# Altium PCB IC_LAB_test.PcbDoc (part 2 of 8)
Units mil, origin at the board's own origin, x right, y up, seen from the top; angles counter-clockwise.
Board outline 9750.75 x 5353.06 mil, 2 copper layers (Top Layer, Bottom Layer); 164 components, 0 nets, 5989 pads, 3214 vias.
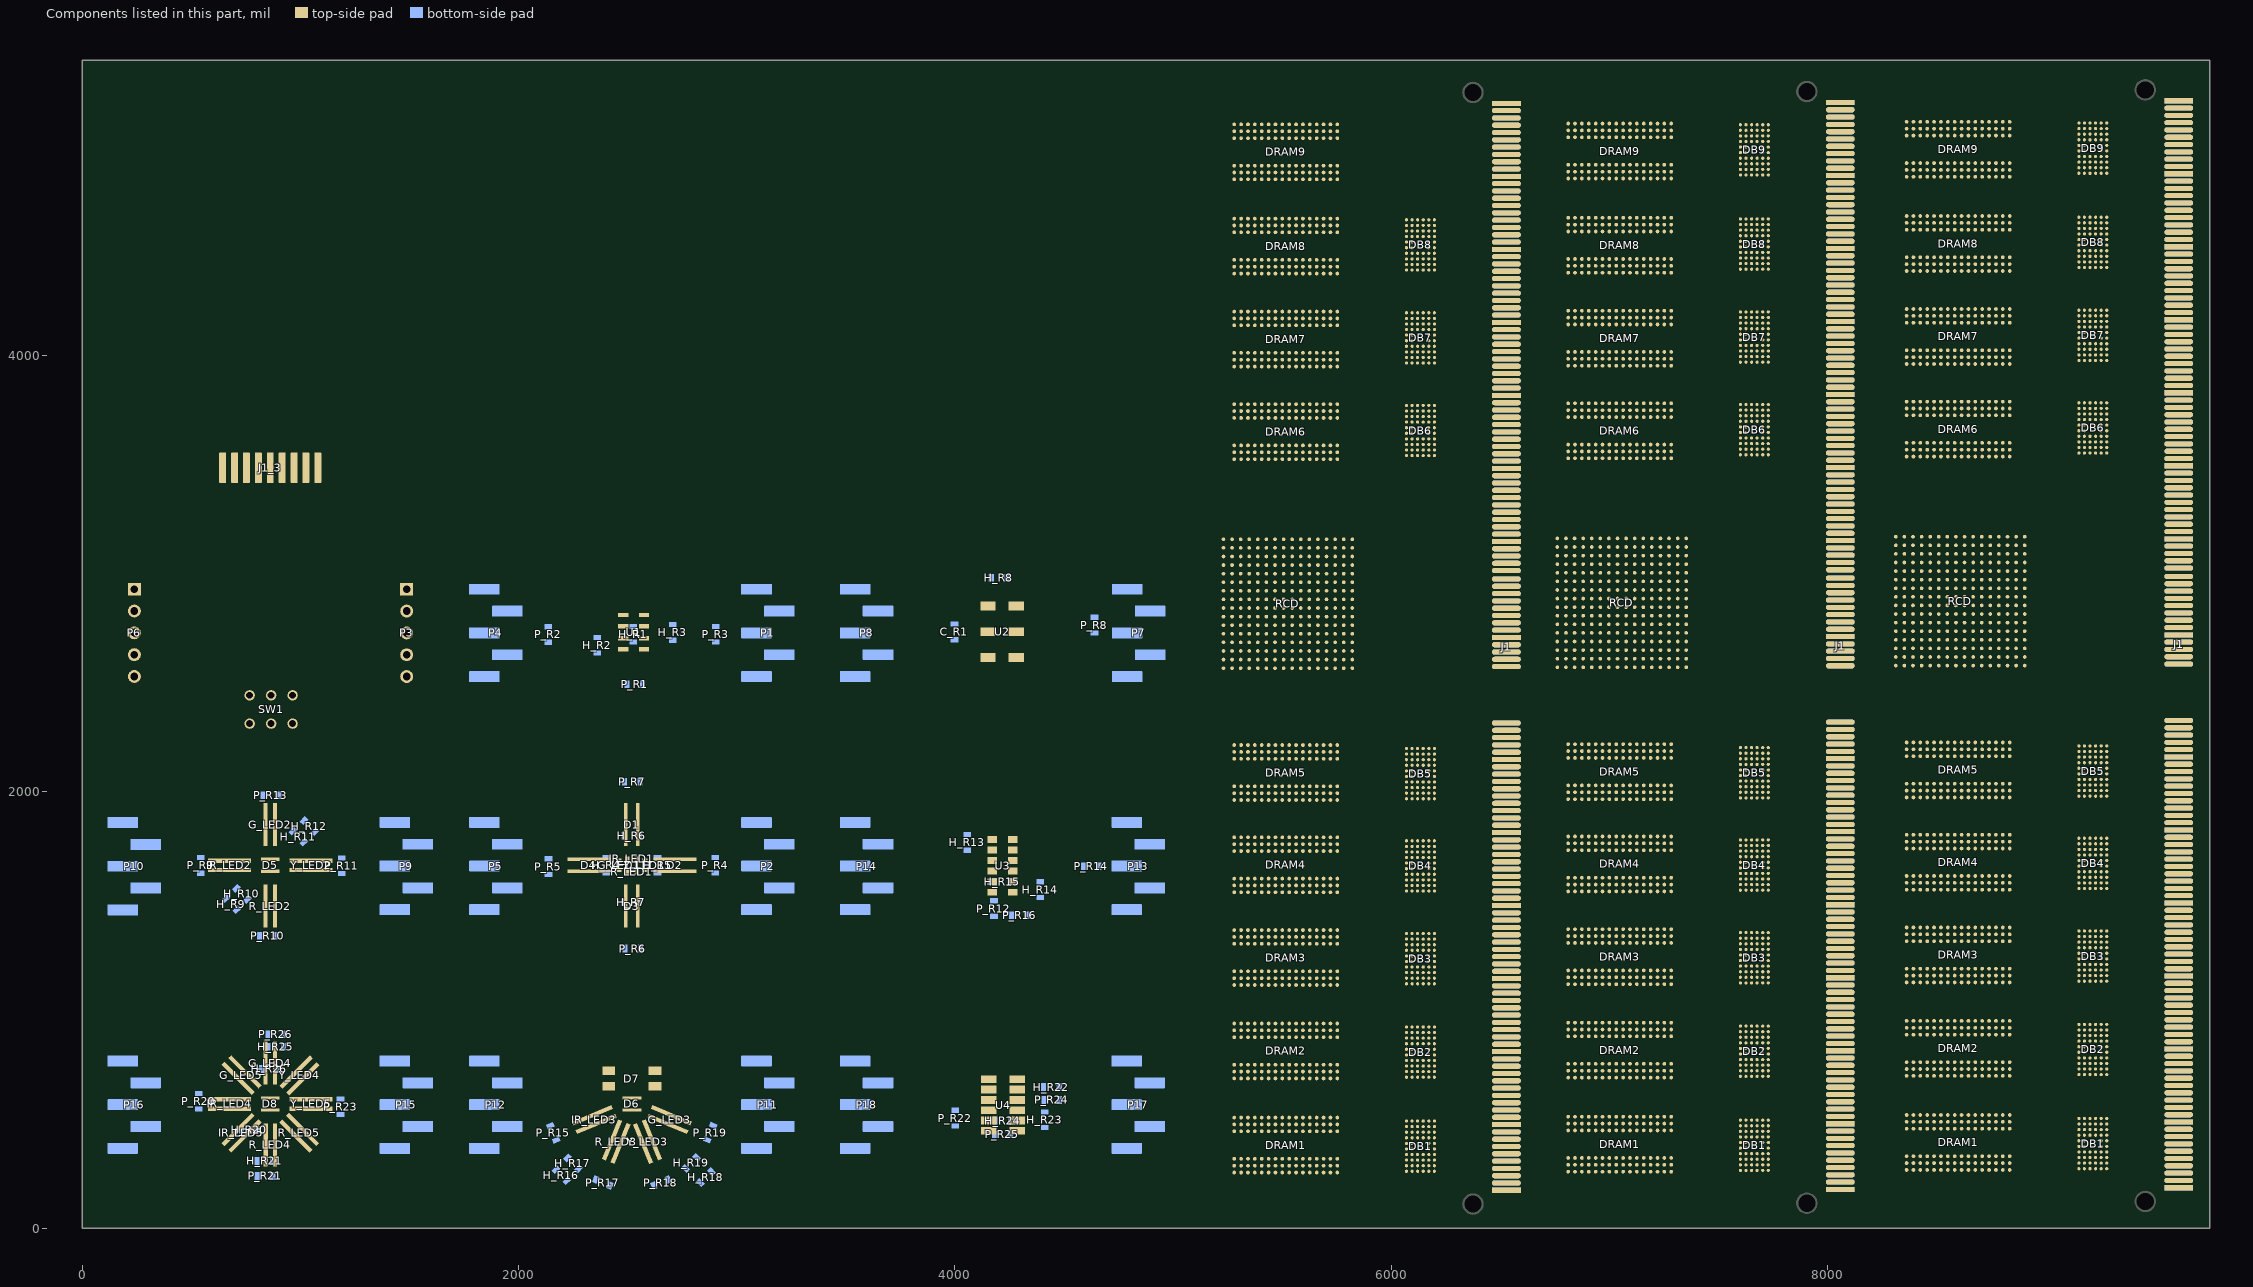
[diagram p2: the components of this part, seen from the top]

## Via types
v1: diameter 17.72, hole 8, Top Layer to Bottom Layer, 2685 vias
v2: diameter 39.37, hole 23.62, Top Layer to Bottom Layer, tented both sides, 414 vias
v3: diameter 23.62, hole 11.81, Top Layer to Bottom Layer, 52 vias
v4: diameter 23.62, hole 11.81, Top Layer to Bottom Layer, tented top, 33 vias
v5: diameter 31.5, hole 15.75, Top Layer to Bottom Layer, 21 vias
v6: diameter 137.8, hole 122.05, Top Layer to Bottom Layer, 3 vias
v7: diameter 78.74, hole 62.99, Top Layer to Bottom Layer, 3 vias
v8: diameter 39.37, hole 19.68, Top Layer to Bottom Layer, 3 vias

## Nets (pads, with @x,y where several pads share a name; then routed paths per layer and width w, separated by ;. In a path a pad name is that pad's centre, name@x,y a point inside that pad or via, vN(x,y) a via of type N, cw(c..) or ccw(c..) an arc to the next point about the centre after c; other vN are vias at no path point) (continued)
copper on no net: (continued)
  Top Layer w3.5: v1(5194.44,3144.24) 5194.44,3143.24 5219.44,3118.24 5230.11,3118.24 5230.63,3117.72 ; v1(5195.44,3187.24) 5197.88,3187.24 5228.03,3157.09 5230.63,3157.09 ; v1(5232.44,3193.24) 5233.85,3193.24 5270,3157.09 ; v1(5232.44,3713.24) 5232.55,3713.35 5280,3713.35 ; v1(5233.44,4138.24) 5233.92,4137.76 5280,4137.76 ; v1(5233.44,4564.24) 5233.74,4563.94 5280,4563.94 ; v1(5234.44,4997.24) 5278.47,4997.24 5280,4995.71 ; v1(5236.44,444.24) 5236.94,443.74 5280,443.74 ; v1(5236.44,874.24) 5236.78,874.58 5279.66,874.58 5280,874.92 ; v1(5236.44,1302.24) 5236.9,1302.69 5279.54,1302.69 5280,1303.15 ; v1(5236.44,1728.24) 5236.48,1728.19 5279.96,1728.19 5280,1728.15 ; v1(5250.44,3138.24) 5250.44,3137.76 5270,3118.2 5270,3117.72 ; v1(5252.44,3745.24) 5252.83,3744.84 5280,3744.84 ; v1(5252.44,4170.24) 5253.43,4169.25 5280,4169.25 ; v1(5252.44,4595.24) 5252.64,4595.43 5280,4595.43 ; v1@5252.47,5027.2 5280,5027.2 ; v1(5254.44,474.24) 5254.94,474.74 5279.5,474.74 5280,475.24 ; v1(5254.44,906.24) 5254.53,906.33 5279.91,906.33 5280,906.42 ; v1(5254.44,1334.24) 5254.65,1334.44 5279.8,1334.44 5280,1334.65 ; v1(5254.44,1759.24) 5254.65,1759.44 5279.8,1759.44 5280,1759.65 ; v1(5274.44,3195.24) 5274.44,3193.63 5309.37,3158.7 5309.37,3157.09 ; v1(5278.44,553.24) 5295.35,536.32 5295.35,492.32 5311.5,476.18 5311.5,475.24 ; v1@5278.44,984.24 5295.35,967.32 5295.35,920.32 5309.26,906.42 5311.5,906.42 ; v1@5279.44,1415.24 5295.44,1399.24 5295.44,1350.7 5311.5,1334.65 ; v1(5279.44,4247.24) 5279.44,4244.24 5296.28,4227.4 5296.28,4184.4 5311.43,4169.25 5311.5,4169.25 ; v1(5279.44,5106.24) 5279.44,5100.24 5296.28,5083.4 5296.28,5044.4 5311.5,5029.18 5311.5,5027.2 ; 5280,286.26 5219.44,346.82 5219.44,660.24 5276.65,717.44 5280,717.44 5219.44,778 5219.44,1085.11 5280,1145.67 5278.01,1145.67 5220.83,1202.84 5220.83,1511.5 5280,1570.67 5220.44,1630.23 5220.44,1934.06 5280,1993.62 ; 5280,2151.1 5279.93,2151.17 5236.51,2151.17 v1(5236.44,2151.24) 5236.44,2269.24 5511.44,2544.24 5562.66,2544.24 5584.96,2566.54 ; 5280,2182.6 5279.82,2182.42 5254.62,2182.42 v1(5254.44,2182.24) 5254.44,2271.24 5521.44,2538.24 5586.44,2538.24 5605.44,2557.24 5605.44,2583.24 5584.96,2603.72 5584.96,2605.91 ; 5280,4838.23 5214.44,4772.67 5214.44,4472.02 5280,4406.46 5217.83,4344.29 5217.83,4094.27 5218.44,4093.66 5218.44,4043.24 5280,3981.68 5280,3980.28 5218.44,3918.72 5218.44,3617.43 5280,3555.87 5279.07,3555.87 5255.44,3532.24 5255.44,3471.24 5528.44,3198.24 5528.44,3144.24 5537.44,3135.24 5566.44,3135.24 5583.96,3117.72 5584.96,3117.72 ; v1(5280.44,1842.24) 5280.44,1823.24 5295.44,1808.24 5295.44,1773.24 5309.03,1759.65 5311.5,1759.65 ; v1@5280.44,3823.24 5280.44,3821.24 5296.28,3805.4 5296.28,3760.4 5311.5,3745.18 5311.5,3744.84 ; v1@5281.44,4673.24 5295.21,4659.46 5295.21,4612.46 5311.5,4596.18 5311.5,4595.43 ; v1(5288.44,3138.24) 5288.65,3138.24 5309.17,3117.72 5309.37,3117.72 ; v1(5295.44,210.24) 5295.44,271.24 5310.46,286.26 5311.5,286.26 ; v1(5295.44,1494.24) 5295.44,1553.24 5311.5,1569.29 5311.5,1570.67 ; v1(5295.44,1699.24) 5295.44,1712.09 5311.5,1728.15 ; v1(5295.44,3686.24) 5296.44,3687.24 5296.44,3699.24 5310.55,3713.35 5311.5,3713.35 ; v1(5295.44,4325.24) 5295.44,4390.24 5311.5,4406.29 5311.5,4406.46 ; v1(5295.44,4756.24) 5295.44,4822.24 5311.43,4838.23 5311.5,4838.23 ; v1(5296.44,411.24) 5311.5,426.29 5311.5,443.74 ; v1(5296.44,638.24) 5296.44,679.48 5296.28,679.64 5296.28,692.25 5296.44,692.41 5296.44,704.24 5309.65,717.44 5311.5,717.44 ; v1(5296.44,845.24) 5296.44,859.87 5311.5,874.92 ; v1(5296.44,1063.24) 5296.44,1107.71 5296.28,1107.87 5296.28,1120.48 5296.44,1120.63 5296.44,1130.61 5311.5,1145.67 ; v1(5296.44,1269.24) 5296.44,1291.24 5308.35,1303.15 5311.5,1303.15 ; v1@5296.44,1916.24 5296.44,1955.66 5296.28,1955.82 5296.28,1968.43 5296.44,1968.59 5296.44,1978.24 5311.5,1993.29 5311.5,1993.62 5311.5,1994.18 ; v1(5296.44,2126.24) 5297.44,2127.24 5297.44,2139.24 5309.31,2151.1 5311.5,2151.1 ; v1@5296.44,3899.24 v1(5296.44,3902.24) 5296.44,3942.32 5296.28,3942.48 5296.28,3955.08 5296.44,3955.24 5296.44,3964.24 5311.5,3979.29 5311.5,3980.28 ; v1(5296.44,4111.24) 5296.44,4123.24 5310.96,4137.76 5311.5,4137.76 ; v1(5296.44,4534.24) 5296.44,4550.24 5310.14,4563.94 5311.5,4563.94 ; v1(5296.44,4971.24) 5300.44,4971.24 5310.44,4981.24 5310.44,4994.65 5311.5,4995.71 ; 5309.37,2566.54 5309.37,2515.17 5182.44,2388.24 5182.44,2118.81 5234.01,2067.24 5320.44,2067.24 5326.44,2061.24 5326.44,2010.17 5342.99,1993.62 5359.44,1977.17 5359.44,1968.6 5359.27,1968.43 5359.27,1955.82 5359.44,1955.66 v1@5359.44,1918.24 ; 5309.37,2605.91 5328.44,2586.83 5328.44,2520.24 5188.44,2380.24 5188.44,2121.3 5236.5,2073.24 5324.44,2073.24 5342.99,2054.69 v1@5342.99,2053.24 ; v1@5309.44,984.24 5309.44,982.24 5327.44,964.24 5327.44,919.24 5340.26,906.42 5342.99,906.42 ; v1(5309.44,1842.24) 5309.44,1837.24 5327.78,1818.9 5327.78,1774.9 5342.99,1759.69 ; v1(5309.44,4247.24) 5327.44,4229.24 5327.44,4186.24 5342.99,4170.69 5342.99,4169.25 ; v1@5310.44,3824.24 5310.44,3822.24 5327.44,3805.24 5327.44,3760.24 5342.83,3744.84 5342.99,3744.84 ; v1(5311.44,553.24) 5327.44,537.24 5327.44,492.24 5342.99,476.69 5342.99,475.24 ; v1(5311.44,1416.24) 5326.71,1400.97 5326.71,1347.97 5340.03,1334.65 5342.99,1334.65 ; v1(5311.44,1630.24) 5311.44,1602.22 5311.5,1602.17 ; v1(5311.44,3615.24) 5311.5,3615.18 5311.5,3587.36 ; v1(5311.44,4469.24) 5311.5,4469.18 5311.5,4437.95 ; v1(5311.44,4674.24) 5327.44,4658.24 5327.44,4612.24 5342.99,4596.69 5342.99,4595.43 ; v1@5311.44,4902.24 5311.5,4902.18 5311.5,4869.72 ; v1@5311.44,5105.24 5311.44,5102.24 5327.44,5086.24 5327.44,5044.24 5342.99,5028.69 5342.99,5027.2 ; 5311.47,317.78 v1@5311.47,347.21 ; 5311.47,748.96 v1@5311.47,779.21 ; 5311.47,1177.19 v1@5311.47,1210.21 ; 5311.5,2182.6 5311.08,2182.6 5296.28,2197.4 5296.28,2245.4 v1(5278.44,2263.24) 5423.18,2407.98 5494.18,2407.98 5645.44,2559.24 5645.44,2581.24 5624.33,2602.35 5624.33,2605.91 ; 5311.5,3555.87 5310.07,3555.87 5297.44,3543.24 5297.44,3531.83 5296.28,3530.67 5296.28,3518.07 5297.44,3516.91 v1(5297.44,3477.24) 5297.44,3476.24 5563.07,3210.61 5563.07,3152.61 5576.07,3139.61 5602.44,3139.61 5624.33,3117.72 ; 5311.5,4011.77 5311.5,4040.29 v1(5312.44,4041.24) ; v1@5326.44,1270.24 5327.44,1271.24 5327.44,1288.24 5342.35,1303.15 5342.99,1303.15 ; v1@5326.44,1917.24 5326.44,1946.24 5342.33,1962.13 5342.99,1962.13 ; v1@5326.44,2127.24 5326.44,2135.24 5342.31,2151.1 5342.99,2151.1 ; v1@5326.44,4326.24 5326.44,4358.24 5342.99,4374.79 5342.99,4374.96 ; v1@5326.44,4757.24 5326.44,4788.24 5342.99,4804.79 5342.99,4806.73 ; v1(5327.44,210.24) 5327.44,236.24 5342.99,251.79 5342.99,254.76 ; v1(5327.44,411.24) 5327.44,413.24 5342.44,428.24 5342.44,443.19 5342.99,443.74 ; v1(5327.44,638.24) 5326.44,639.24 5326.44,667.24 5342.99,683.79 5342.99,685.94 ; v1@5327.44,846.24 5327.44,858.24 5342.99,873.79 5342.99,874.92 ; v1(5327.44,1063.24) 5327.44,1098.62 5342.99,1114.17 ; v1@5327.44,1495.24 5327.44,1524.24 5342.38,1539.17 5342.99,1539.17 ; v1@5327.44,1700.24 5328.44,1701.24 5328.44,1714.24 5342.35,1728.15 5342.99,1728.15 ; v1@5327.44,3899.24 v1(5327.44,3902.24) 5327.44,3931.24 5342.99,3946.79 5342.99,3948.78 ; v1@5327.44,4112.24 5327.44,4123.24 5341.96,4137.76 5342.99,4137.76 ; v1@5328.44,3478.24 5328.44,3506.24 5342.99,3520.79 5342.99,3524.37 ; v1@5328.44,3687.24 5328.44,3699.24 5342.55,3713.35 5342.99,3713.35 ; v1@5328.44,4535.24 5328.44,4550.24 5342.14,4563.94 5342.99,4563.94 ; v1(5328.44,4971.24) 5330.44,4973.24 5330.44,4981.24 5342.99,4993.79 5342.99,4995.71 ; v1(5330.44,3137.75) 5330.44,3136.88 5348.74,3118.58 5348.74,3117.72 ; v1(5341.44,1416.24) 5342.99,1414.69 5342.99,1366.14 ; v1(5341.44,1842.24) 5342.99,1840.69 5342.99,1791.14 ; v1@5342.44,984.24 5342.99,983.69 5342.99,937.91 ; v1(5342.44,1630.24) 5342.99,1629.69 5342.99,1602.17 ; v1@5342.44,3824.24 5342.99,3823.69 5342.99,3776.34 ; v1(5342.44,4041.24) 5342.99,4040.69 5342.99,4011.77 ; v1(5342.44,4247.24) 5342.99,4246.69 5342.99,4200.75 ; v1@5342.44,4673.24 5342.99,4672.69 5342.99,4626.93 ; v1(5342.44,4900.24) 5342.99,4899.69 5342.99,4869.72 ; v1@5342.44,5105.24 5342.72,5104.96 5342.72,5058.98 5342.99,5058.7 ; 5342.99,286.26 5342.99,283.69 5359.44,267.24 5359.44,261.23 5359.27,261.07 5359.27,248.46 5359.44,248.29 v1(5359.44,210.24) ; 5342.99,317.76 5343.22,317.98 5343.22,347.01 v1(5343.44,347.24) ; 5342.99,506.73 5343.22,506.96 5343.22,553.01 v1(5343.44,553.24) ; 5342.99,717.44 5342.99,714.69 5359.44,698.24 5359.44,692.41 5359.27,692.25 5359.27,679.64 5359.44,679.48 v1(5359.44,638.24) ; 5342.99,748.94 5343.22,749.16 5343.22,779.01 v1(5343.44,779.24) ; 5343.01,1145.67 5359.44,1129.24 5359.44,1120.64 5359.27,1120.48 5359.27,1107.87 5359.44,1107.7 v1(5359.44,1063.24) ; 5342.99,1177.17 5343.22,1177.39 5343.22,1210.01 v1(5343.44,1210.24) ; 5342.99,1570.67 5358.44,1555.22 v1@5358.44,1495.24 ; 5342.99,2025.12 5342.99,2051.79 v1(5344.44,2053.24) ; 5342.99,2182.6 5342.99,2183.69 5327.44,2199.24 5327.44,2246.24 5311.44,2262.24 v1(5311.44,2263.24) 5447.44,2399.24 5531.44,2399.24 5679.44,2547.24 5679.44,2590.17 5663.7,2605.91 ; 5342.99,2214.09 5342.99,2261.79 v1@5343.44,2262.24 ; 5342.99,3555.87 5342.99,3554.69 5359.44,3538.24 5359.44,3530.84 5359.27,3530.67 5359.27,3518.07 5359.44,3517.9 v1(5359.44,3477.24) 5359.44,3432.24 5577.44,3214.24 5577.44,3179.24 5583.44,3173.24 5602.44,3173.24 5608.44,3167.24 5608.44,3151.24 5622.44,3137.24 5643.44,3137.24 5662.96,3117.72 5663.7,3117.72 ; 5342.99,3587.36 5343.44,3587.81 v1(5343.44,3615.24) ; 5342.99,3980.28 5342.99,3977.69 5358.44,3962.24 v1(5358.44,3902.24) v1@5358.44,3899.24 ; 5342.99,4406.46 5342.99,4405.69 5358.44,4390.24 v1@5358.44,4327.24 ; 5342.99,4437.95 5342.99,4468.79 v1(5343.44,4469.24) ; 5342.99,4838.23 5343.45,4838.23 5358.44,4823.24 5358.44,4760.24 v1@5359.44,4759.24 ; 5348.74,2566.54 5348.74,2530.54 5194.44,2376.24 5194.44,2123.78 5238.99,2079.24 5333.29,2079.24 5358.44,2054.09 5358.44,2012.24 5374.49,1996.19 5374.49,1993.62 5390.44,1977.67 v1@5390.44,1915.24 ; 5348.74,2605.91 5365.44,2589.2 5365.44,2535.24 5200.44,2370.24 5200.44,2126.27 5241.47,2085.24 5342.44,2085.24 v1(5374.44,2053.24) 5374.49,2053.19 5374.49,2025.12 ; 5348.74,3157.09 5372.44,3180.79 v1(5372.44,3193.24) ; v1@5357.44,1271.24 5358.44,1272.24 5358.44,1288.24 5373.35,1303.15 5374.49,1303.15 ; v1@5358.44,3687.24 5358.44,3699.24 5372.55,3713.35 5374.49,3713.35 ; v1@5358.44,4974.24 5359.44,4975.24 5359.44,4984.24 5370.91,4995.71 5374.49,4995.71 ; v1(5359.44,411.24) 5374.49,426.28 5374.49,443.74 ; v1@5359.44,846.24 5359.44,859.87 5374.49,874.92 ; v1@5359.44,1701.24 5359.44,1715.24 5372.35,1728.15 5374.49,1728.15 ; v1@5359.44,4112.24 5359.44,4125.24 5371.96,4137.76 5374.49,4137.76 ; v1@5361.44,4536.24 5360.44,4537.24 5360.44,4553.24 5371.14,4563.94 5374.49,4563.94 ; v1(5366.44,3138.24) 5367.02,3138.24 5387.54,3117.72 5388.11,3117.72 ; v1(5372.44,1416.24) 5372.44,1409.24 5358.35,1395.14 5358.35,1351.33 5374.49,1335.19 5374.49,1334.65 ; v1(5373.44,347.24) 5373.96,346.71 5373.96,318.28 5374.49,317.76 ; v1(5373.44,553.24) 5359.27,539.07 5359.27,491.4 5374.49,476.19 5374.49,475.24 ; v1(5373.44,779.24) 5373.96,778.71 5373.96,749.46 5374.49,748.94 ; v1(5373.44,1211.24) 5373.96,1210.71 5373.96,1177.69 5374.49,1177.17 ; v1(5373.44,1842.24) 5373.44,1834.24 5359.27,1820.07 5359.27,1772.4 5372.03,1759.65 5374.49,1759.65 ; v1@5373.44,3824.24 5358.21,3809 5358.21,3762.47 5374.49,3746.19 5374.49,3744.84 ; v1(5374.44,985.24) 5358.35,969.14 5358.35,923.33 5374.49,907.19 5374.49,906.42 ; v1@5374.44,1629.24 5374.44,1602.21 5374.49,1602.17 ; v1@5374.44,2261.24 5359.27,2246.07 5359.27,2198.4 5374.49,2183.19 5374.49,2182.6 ; v1(5374.44,2263.24) 5502.44,2391.24 5576.44,2391.24 5720.55,2535.35 5720.55,2588.43 5703.07,2605.91 ; v1(5374.44,3614.24) 5374.49,3614.19 5374.49,3587.36 ; v1@5374.44,4040.24 5374.49,4040.19 5374.49,4011.77 ; v1@5374.44,4246.24 5374.44,4245.24 5359.27,4230.07 5359.27,4184.4 5374.43,4169.25 5374.49,4169.25 ; v1(5374.44,4469.24) 5374.49,4469.19 5374.49,4437.95 ; v1@5374.44,4673.24 5358.44,4657.24 5358.44,4613.24 5374.49,4597.19 5374.49,4595.43 ; v1@5374.44,4901.24 5374.49,4901.19 5374.49,4869.72 ; 5374.49,286.26 5374.49,283.19 5390.44,267.24 5390.44,211.24 v1(5391.44,210.24) ; 5374.49,717.44 5374.49,714.19 5391.44,697.24 5391.44,692.92 5390.77,692.25 5390.77,679.64 5391.44,678.97 v1(5391.44,638.24) ; 5374.49,1145.67 5390.44,1129.72 5390.44,1064.24 v1(5391.44,1063.24) ; 5374.49,1570.67 5374.49,1568.19 5390.44,1552.24 v1@5390.44,1496.24 ; 5374.49,3555.87 5374.81,3555.87 5391.44,3539.24 5391.44,3531.34 5390.77,3530.67 5390.77,3518.07 5391.44,3517.4 v1@5391.44,3478.24 ; 5374.49,3980.28 5374.49,3979.19 5390.44,3963.24 v1(5390.44,3902.24) v1@5390.44,3901.24 ; 5374.49,4406.46 5374.49,4406.19 5390.44,4390.24 5390.44,4329.24 v1@5391.44,4328.24 ; 5374.49,4838.23 5375.45,4838.23 5391.44,4822.24 5391.44,4813.71 5390.77,4813.03 5390.77,4800.43 5391.44,4799.76 v1@5391.44,4759.24 ; 5374.49,5027.2 5358.21,5043.49 5358.21,5087 v1@5375.44,5104.24 ; 5388.11,2566.54 5388.11,2543.91 5206.44,2362.24 5206.44,2128.75 5243.96,2091.24 5351.29,2091.24 5388.44,2054.09 5388.44,2011.17 5405.98,1993.62 5422.44,1977.17 5422.44,1968.6 5422.27,1968.43 5422.27,1955.82 5422.44,1955.65 v1@5422.44,1916.24 ; 5388.11,2605.91 5408.44,2585.57 5408.44,2552.24 5212.44,2356.24 5212.44,2131.24 5246.44,2097.24 5360.44,2097.24 v1(5404.44,2053.24) 5405.98,2051.69 5405.98,2025.12 ; 5388.11,3157.09 5388.11,3160.47 5418.44,3190.8 v1(5418.44,3193.24) ; v1@5389.44,2128.24 5389.44,2134.56 5405.98,2151.1 ; v1@5389.44,3687.24 5390.44,3688.24 5390.44,3701.24 5402.55,3713.35 5405.98,3713.35 ; v1@5390.44,847.24 5390.44,861.24 5404.13,874.92 5405.98,874.92 ; v1@5390.44,4974.24 5391.44,4975.24 5391.44,4983.24 5403.91,4995.71 5405.98,4995.71 ; v1(5391.44,411.24) 5405.98,425.78 5405.98,443.74 ; v1@5391.44,1272.24 5391.44,1288.24 5405.98,1302.78 5405.98,1303.15 ; v1@5391.44,1702.24 5391.44,1713.24 5405.98,1727.78 5405.98,1728.15 ; v1(5391.44,3477.24) 5391.44,3443.24 5607.94,3226.74 5607.94,3202.74 5642.44,3168.24 5642.44,3152.24 5657.44,3137.24 5668.44,3137.24 5685.44,3120.24 5700.55,3120.24 5703.07,3117.72 ; v1@5391.44,4113.24 5391.44,4126.24 5402.96,4137.76 5405.98,4137.76 ; v1@5392.44,4537.24 5392.44,4552.24 5404.14,4563.94 5405.98,4563.94 ; v1@5404.44,4040.24 5404.44,4013.32 5405.98,4011.77 ; v1@5404.44,4673.24 5389.7,4658.5 5389.7,4613.97 5405.98,4597.69 5405.98,4595.43 ; v1(5405.44,347.24) 5405.71,346.96 5405.71,318.03 5405.98,317.76 ; v1(5405.44,553.24) 5389.84,537.64 5389.84,492.83 5405.98,476.69 5405.98,475.24 ; v1(5405.44,779.24) 5405.71,778.96 5405.71,749.21 5405.98,748.94 ; v1(5405.44,1211.24) 5405.71,1210.96 5405.71,1177.44 5405.98,1177.17 ; v1@5405.44,1629.24 5405.98,1628.69 5405.98,1602.17 ; v1@5405.44,1841.24 5405.44,1839.24 5390.77,1824.57 5390.77,1773.91 5405.03,1759.65 5405.98,1759.65 ; v1@5405.44,2260.24 5390.44,2245.24 5390.44,2198.24 5405.98,2182.69 5405.98,2182.6 ; v1(5405.44,2263.24) 5522.44,2380.24 5615.44,2380.24 5762.44,2527.24 5762.44,2585.91 5742.44,2605.91 ; v1(5405.44,4247.24) 5390.44,4232.24 5390.44,4186.24 5405.98,4170.69 5405.98,4169.25 ; v1(5405.44,4469.24) 5405.44,4438.5 5405.98,4437.95 ; v1(5405.44,4900.24) 5405.98,4899.69 5405.98,4869.72 ; 5405.98,286.26 5420.44,271.8 5420.44,261.82 5421.2,261.07 5421.2,248.46 5420.44,247.7 v1(5420.44,210.24) ; 5405.98,506.73 5408.34,509.09 5408.34,522.13 v1(5439.44,553.24) ; 5405.98,717.44 5420.44,702.98 5420.44,693 5421.2,692.25 5421.2,679.64 5420.44,678.88 v1(5420.44,638.24) ; 5405.98,906.42 5405.98,906.69 5389.84,922.83 5389.84,967.64 v1@5406.44,984.24 ; 5405.98,937.91 5437.44,969.37 v1@5437.44,984.24 ; 5405.98,1145.67 5421.44,1130.21 5421.44,1064.24 v1(5420.44,1063.24) ; 5405.98,1334.65 5405.03,1334.65 5390.44,1349.24 5390.44,1396.24 5406.44,1412.24 v1@5406.44,1415.24 ; 5405.98,1366.14 5405.98,1384.78 v1@5436.44,1415.24 ; 5405.98,1570.67 5405.98,1567.69 5421.44,1552.24 v1@5421.44,1496.24 ; 5405.98,1791.14 5440.44,1825.6 v1@5440.44,1841.24 ; 5405.98,2214.09 5405.98,2227.78 v1@5438.44,2260.24 ; 5405.98,3555.87 5405.98,3553.69 5423.44,3536.24 5423.44,3531.85 5422.27,3530.67 5422.27,3518.07 5423.44,3516.89 v1@5423.44,3479.24 ; 5405.98,3587.36 5407.44,3588.82 v1(5407.44,3614.24) ; 5405.98,3744.84 5405.83,3744.84 5390.77,3759.91 5390.77,3807.57 5406.44,3823.24 v1@5406.44,3824.24 ; 5405.98,3776.34 5405.98,3793.78 v1(5437.44,3825.24) ; 5405.98,3980.28 5407.4,3980.28 5422.44,3965.24 5422.44,3955.26 5422.27,3955.08 5422.27,3942.48 5422.44,3942.3 v1(5422.44,3902.24) v1@5422.44,3901.24 ; 5405.98,4200.75 5405.98,4214.78 v1@5437.44,4246.24 ; 5405.98,4406.46 5407.22,4406.46 5422.44,4391.24 5422.44,4381.44 5422.27,4381.26 5422.27,4368.66 5422.44,4368.48 v1@5422.44,4329.24 ; 5405.98,4626.93 5405.98,4641.78 v1@5437.44,4673.24 ; 5405.98,4838.23 5407.45,4838.23 5422.44,4823.24 5422.44,4813.21 5422.27,4813.03 5422.27,4800.43 5422.44,4800.25 v1@5422.44,4759.24 ; 5405.98,5027.2 5405.98,5027.69 5390.77,5042.91 5390.77,5087.57 v1@5406.44,5103.24 ; 5405.98,5058.7 5405.98,5070.78 v1@5438.44,5103.24 ; v1(5408.44,3138.24) 5408.44,3137.5 5427.48,3118.46 5427.48,3117.72 ; v1(5420.44,411.24) 5437.48,428.28 5437.48,443.74 ; v1@5421.44,848.24 5421.44,858.24 5437.48,874.28 5437.48,874.92 ; v1@5421.44,1704.24 5421.44,1713.24 5436.35,1728.15 5437.48,1728.15 ; v1@5421.44,2127.24 5422.44,2128.24 5422.44,2136.24 5437.31,2151.1 5437.48,2151.1 ; v1@5421.44,3688.24 5421.44,3699.24 5435.55,3713.35 5437.48,3713.35 ; v1@5422.44,1272.24 5422.44,1288.24 5437.35,1303.15 5437.48,1303.15 ; v1@5422.44,4113.24 5422.44,4124.24 5435.96,4137.76 5437.48,4137.76 ; v1@5422.44,4973.24 5423.44,4974.24 5423.44,4984.24 5434.91,4995.71 5437.48,4995.71 ; v1(5423.44,3477.24) 5423.44,3433.24 5668.94,3187.74 5668.94,3175.89 5685.44,3159.39 5685.44,3145.99 5687.2,3144.24 5687.44,3144.24 5695.44,3136.24 5724.44,3136.24 5742.44,3118.24 5742.44,3117.72 ; v1@5423.44,4539.24 5424.44,4540.24 5424.44,4553.24 5435.14,4563.94 5437.48,4563.94 ; 5427.48,2566.54 5427.48,2555.28 5218.44,2346.24 5218.44,2134.75 5249.96,2103.24 5369.44,2103.24 5421.44,2051.24 5421.44,2013.24 5437.48,1997.2 5437.48,1993.62 5437.48,1991.2 5453.44,1975.24 5453.44,1916.24 v1@5454.44,1915.24 ; 5427.48,2605.91 5444.44,2588.94 5444.44,2558.24 5225.94,2339.74 5225.94,2135.74 5252.44,2109.24 5381.44,2109.24 5436.48,2054.2 5437.48,2054.2 5437.48,2025.12 ; 5427.48,3157.09 5429.39,3157.09 5464.54,3192.24 v1(5466.44,3192.24) ; v1(5436.44,3614.24) 5437.48,3613.2 5437.48,3587.36 ; v1@5436.44,4040.24 5436.44,4012.81 5437.48,4011.77 ; v1@5436.44,4470.24 v1(5436.44,4469.24) 5436.44,4438.99 5437.48,4437.95 ; v1@5437.44,1629.24 5437.48,1629.2 5437.48,1602.17 ; v1(5437.44,4900.24) 5437.48,4900.2 5437.48,4869.72 ; 5437.48,286.26 5437.48,285.2 5454.44,268.24 5454.44,261.74 5453.76,261.07 5453.76,248.46 5454.44,247.78 v1(5454.44,210.24) ; 5437.48,317.76 5438.46,318.74 5438.46,346.26 v1(5439.44,347.24) ; 5437.48,475.24 5453.44,459.28 5453.44,412.24 v1(5454.44,411.24) ; 5437.48,717.44 5437.48,715.2 5454.44,698.24 5454.44,692.93 5453.76,692.25 5453.76,679.64 5454.44,678.96 v1(5454.44,638.24) ; 5437.48,748.94 5438.46,749.92 5438.46,778.26 v1(5439.44,779.24) ; 5437.48,906.42 5453.44,890.46 5453.44,850.24 v1@5452.44,849.24 ; 5437.48,1145.67 5454.44,1128.71 5454.44,1121.15 5453.76,1120.48 5453.76,1107.87 5454.44,1107.19 v1(5454.44,1063.24) ; 5437.48,1177.17 5438.46,1178.15 5438.46,1210.26 v1(5439.44,1211.24) ; 5437.48,1334.65 5437.48,1332.2 5453.44,1316.24 v1@5453.44,1273.24 ; 5437.48,1570.67 5438.01,1570.67 5454.44,1554.24 5454.44,1546.15 5453.76,1545.48 5453.76,1532.87 5454.44,1532.19 v1@5454.44,1497.24 ; 5437.48,1759.65 5437.48,1757.2 5454.44,1740.24 5454.44,1735.13 5453.76,1734.45 5453.76,1721.85 5454.44,1721.17 v1@5454.44,1705.24 ; 5437.48,2182.6 5437.48,2180.2 5453.44,2164.24 v1@5453.44,2127.24 ; 5437.48,3555.87 5456.28,3537.07 5452.84,3533.63 v1(5452.84,3476.89) 5698.44,3231.29 5698.44,3188.16 5724.44,3162.16 5724.44,3151.24 5737.44,3138.24 5761.29,3138.24 5781.81,3117.72 ; 5437.48,3744.84 5437.48,3744.2 5453.44,3728.24 v1@5453.44,3689.24 ; 5437.48,3980.28 5437.48,3980.2 